# KiCad board VehicleControlUnit.kicad_pcb (continued)
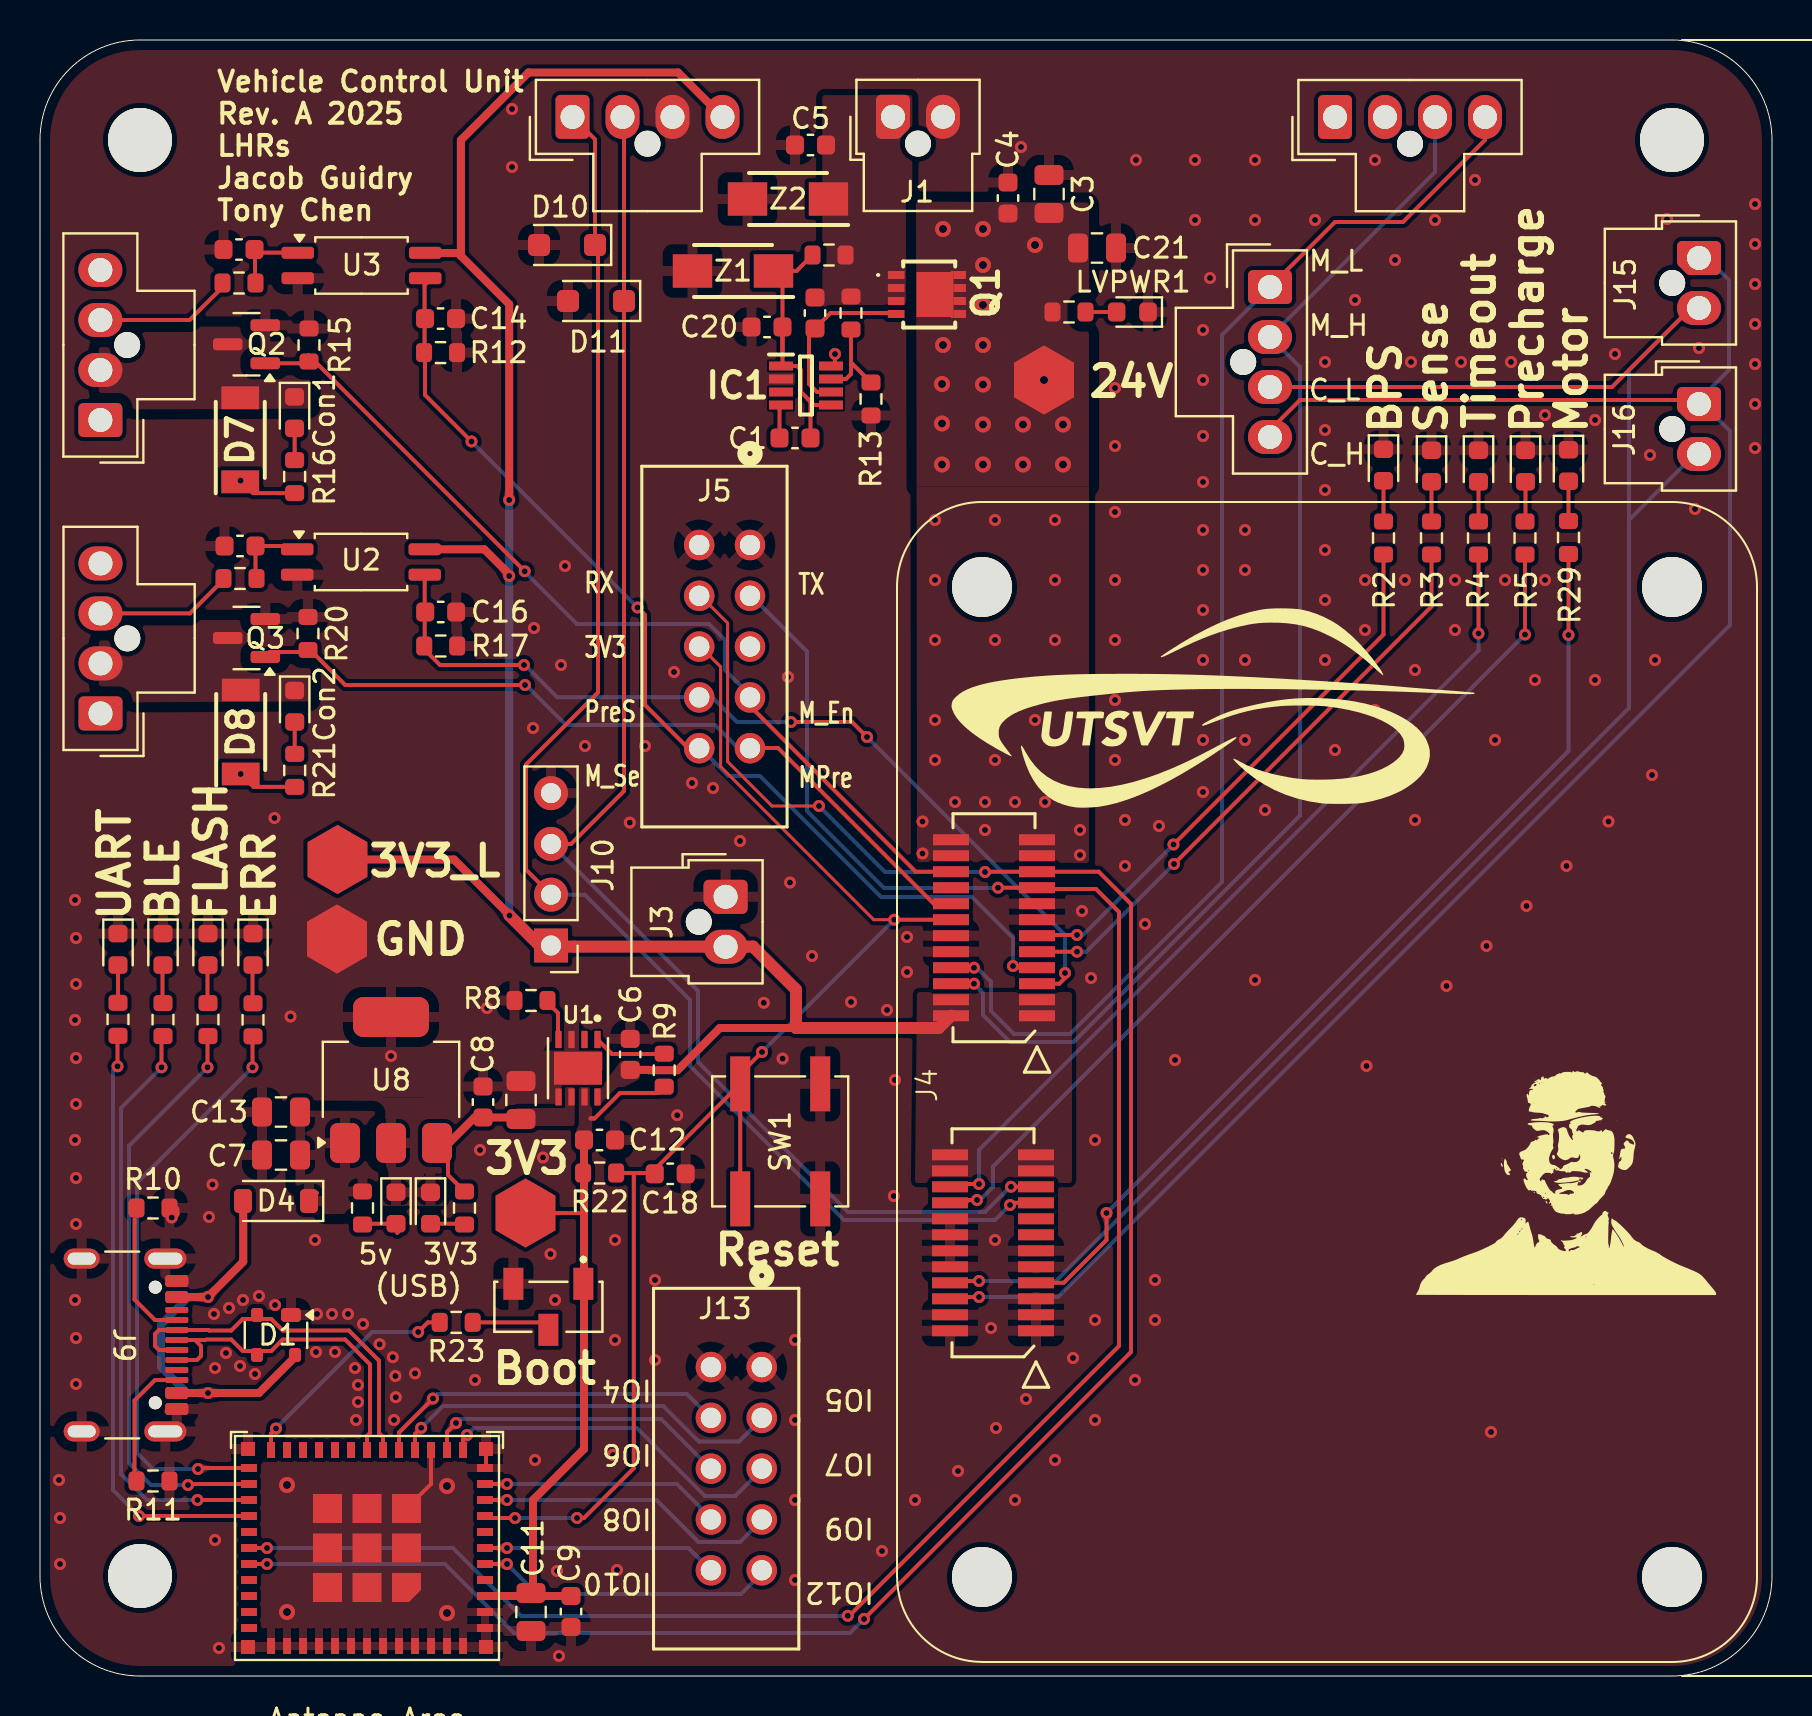
[diagram p0: board, top side]
## Library data of the parts (continued)
U8 = -: Datasheet: https://www.analog.com/media/en/technical-documentation/data-sheets/1963aff.pdf; Description: 3.3V, 1.5A, Low Noise, Fast Transient Response LDO Regulator, SOT-223; ki_fp_filters: SOT*223*
Z1 Z2 = -: Datasheet: https://www.mccsemi.com/pdf/Products/SMAF4735A_SMAF4764A(DO-221AC).pdf; Description: 1.0 Watt Zener Diodes 6.2V to 100V; Height: 1.25; Mouser Part Number: 833-SMAF4749A-TP; Mouser Price/Stock: https://www.mouser.co.uk/ProductDetail/Micro-Commercial-Components-MCC/SMAF4749A-TP?qs=%252BXxaIXUDbq1bdSZ3Ebik%2FA%3D%3D; Manufacturer_Name: MCC; Manufacturer_Part_Number: SMAF4749A-TP

## Footprints (pads in the part's own frame, mm; a bottom-side part is the same pattern mirrored in y, then rotated)
C_0603_1608Metric
  rrect 0.9x0.95 smd: 1(-0.775,0) 2(0.775,0)
C_0805_2012Metric
  rrect 1x1.45 smd: 1(-0.95,0) 2(0.95,0)
CONN_SFH11-xxxC-D05-ST-XX_SUL
  round 1.524 hole 1.016: 1(0,0) 2(0,-2.54) 3(2.54,0) 4(2.54,-2.54) 5(5.08,0) 6(5.08,-2.54) 7(7.62,0) 8(7.62,-2.54) 9(10.16,0) 10(10.16,-2.54)
D_SOD-123
  rrect 0.9x1.2 smd: 1(-1.65,0) 2(1.65,0)
D_SOD-123F
  rrect 1.1x1.1 smd: 1(-1.4,0) 2(1.4,0)
EL3H7
  rrect 1.625x0.6 smd: 1(-3.188,0.635) 2(-3.188,-0.635) 3(3.188,-0.635) 4(3.188,0.635)
ESP32-C6-MINI-1
  rect 0.8x0.4 smd: 1(-5.9,1.3) 2(-5.9,0.5) 3(-5.9,-0.3) 4(-5.9,-1.1) 5(-5.9,-1.9) 6(-5.9,-2.7) 7(-5.9,-3.5) 8(-5.9,-4.3) 9(-5.9,-5.1) 10(-5.9,-5.9) 11(-5.9,-6.7) 25(5.9,-6.7) 26(5.9,-5.9) 27(5.9,-5.1) 28(5.9,-4.3) 29(5.9,-3.5) 30(5.9,-2.7) 31(5.9,-1.9) 32(5.9,-1.1) 33(5.9,-0.3) 34(5.9,0.5) 35(5.9,1.3)
  rect 0.4x0.8 smd: 12(-4.8,-7.6) 13(-4,-7.6) 14(-3.2,-7.6) 15(-2.4,-7.6) 16(-1.6,-7.6) 17(-0.8,-7.6) 18(0,-7.6) 19(0.8,-7.6) 20(1.6,-7.6) 21(2.4,-7.6) 22(3.2,-7.6) 23(4,-7.6) 24(4.8,-7.6) 36(4.8,2.2) 37(4,2.2) 38(3.2,2.2) 39(2.4,2.2) 40(1.6,2.2) 41(0.8,2.2) 42(0,2.2) 43(-0.8,2.2) 44(-1.6,2.2) 45(-2.4,2.2) 46(-3.2,2.2) 47(-4,2.2) 48(-4.8,2.2)
  custom 1.45x1.45 smd: 49(-1.975,-0.725)
  rect 1.45x1.45 smd: 49(-1.975,-2.7) 49(-1.975,-4.675) 49(0,-0.725) 49(0,-2.7) 49(0,-4.675) 49(1.975,-0.725) 49(1.975,-2.7) 49(1.975,-4.675)
  rect 0.7x0.7 smd: 50(5.95,2.25) 51(5.95,-7.65) 52(-5.95,-7.65) 53(-5.95,2.25)
LeaderSOM
  round 3 hole 3 unplated: (-24.59,-5.45) (-24.59,-39.95) (24.91,-5.45) (24.91,-39.95)
  rect 0.55x1.8 smd: 1(3.474,-8.2) 2(3.474,-3.9) 3(4.274,-8.2) 4(4.274,-3.9) 5(5.074,-8.2) 6(5.074,-3.9) 7(5.874,-8.2) 8(5.874,-3.9) 9(6.674,-8.2) 10(6.674,-3.9) 11(7.474,-8.2) 12(7.474,-3.9) 13(8.274,-8.2) 14(8.274,-3.9) 15(9.074,-8.2) 16(9.074,-3.9) 17(9.874,-8.2) 18(9.874,-3.9) 19(10.674,-8.2) 20(10.674,-3.9) 21(11.474,-8.2) 22(11.474,-3.9) 23(12.274,-8.2) 24(12.274,-3.9) 25(-12.28,-8.15) 26(-12.28,-3.85) 27(-11.48,-8.15) 28(-11.48,-3.85) 29(-10.68,-8.15) 30(-10.68,-3.85) 31(-9.88,-8.15) 32(-9.88,-3.85) 33(-9.08,-8.15) 34(-9.08,-3.85) 35(-8.28,-8.15) 36(-8.28,-3.85) 37(-7.48,-8.15) 38(-7.48,-3.85) 39(-6.68,-8.15) 40(-6.68,-3.85) 41(-5.88,-8.15) 42(-5.88,-3.85) 43(-5.08,-8.15) 44(-5.08,-3.85) 45(-4.28,-8.15) 46(-4.28,-3.85) 47(-3.48,-8.15) 48(-3.48,-3.85)
LED_0603_1608Metric
  rrect 0.875x0.95 smd: 1(-0.787,0) 2(0.787,0)
Molex_Nano-Fit_105309-xx02_1x02_P2.50mm_Vertical
  round 1.3 hole 1.3 unplated: (-1.34,-1.25)
  custom 2.2x1.7 hole 1.2: 1(0,0)
  oval 2.2x1.7 hole 1.2: 2(0,-2.5)
Molex_Nano-Fit_105309-xx04_1x04_P2.50mm_Vertical
  round 1.3 hole 1.3 unplated: (-1.08,-0.68)
  rrect 2.2x1.7 hole 1.2: 1(0.26,3.07)
  oval 2.2x1.7 hole 1.2: 2(0.26,0.57) 3(0.26,-1.93) 4(0.26,-4.43)
MountingHole_3.2mm_M3
  round 3.2 hole 3.2 unplated: (0,0)
PinHeader_1x04_P2.54mm_Vertical
  rect 1.7x1.7 hole 1: 1(0,0)
  oval 1.7x1.7 hole 1: 2(0,-2.54) 3(0,-5.08) 4(0,-7.62)
PSMN8R5-40MSDX
  rect 0.4x0.83 smd: 1(-0.975,-1.65) 2(-0.325,-1.65) 3(0.325,-1.65) 4(0.975,-1.65)
  rect 0.4x0.62 smd: 5(0.975,1.525) 6(0.325,1.525) 7(-0.325,1.525) 8(-0.975,1.525)
  rect 2.25x1.85 smd: 9(0,0.29)
  rect 0.05x0.13 smd: 10(1.15,1.15) 11(-1.15,1.15)
R_0603_1608Metric
  rrect 0.8x0.95 smd: 1(-0.825,0) 2(0.825,0)
SODFL4724X108N
  rect 1.14x1.89 smd: 1(-2.1,0) 2(2.1,0)
SODFL5026X125N
  rect 1.97x1.67 smd: 1(-2.025,0) 2(2.025,0)
SON65P300X300X100-9N
  rrect 0.86x0.32 smd: 1(-1.435,0.975) 2(-1.435,0.325) 3(-1.435,-0.325) 4(-1.435,-0.975) 5(1.435,-0.975) 6(1.435,-0.325) 7(1.435,0.325) 8(1.435,0.975)
  rect 1.65x2.4 smd: 9(0,0)
SOT65P280X110-8N
  rect 1.2x0.45 smd: 1(-1.25,0.975) 2(-1.25,0.325) 3(-1.25,-0.325) 4(-1.25,-0.975) 5(1.25,-0.975) 6(1.25,-0.325) 7(1.25,0.325) 8(1.25,0.975)
SOT-23
  rrect 1.475x0.6 smd: 1(-0.938,0.95) 2(-0.938,-0.95) 3(0.938,0)
SOT-143
  rrect 0.7x1 smd: 1(-1,0.75)
  rrect 0.7x0.6 smd: 2(-1,-0.95) 3(1,-0.95) 4(1,0.95)
SOT-223-3_TabPin2
  rrect 2x1.5 smd: 1(-3.15,2.3) 2(-3.15,0) 3(-3.15,-2.3)
  rrect 2x3.8 smd: 2(3.15,0)
SW_CJS-1200TA
  rect 1x1.6 smd: 1(-1.75,-1.15) 2(0,1.15) 3(1.75,-1.15)
SW_SPST_B3SL-1002P
  rect 2.75x1 smd: 1(-2.875,2) 2(2.875,2) 3(-2.875,-2) 4(2.875,-2)
TestPoint_HEX_3mmID
  custom 3x3.464 smd: 1(-0.05,0)
TestPoint_HEX_3mmID#2
  custom 3x3.464 smd: 1(0,0)
TestPoint_HEX_3mmID#3
  custom 3x3.464 smd: 1(0.6,0)
USB_C_Receptacle_GCT_USB4105-xx-A_16P_TopMnt_Horizontal
  round 0.65 hole 0.65 unplated: (-2.89,2.605) (2.89,2.605)
  rrect 0.6x1.15 smd: A1(-3.2,3.68) A4(-2.4,3.68) A9(2.4,3.68) A12(3.2,3.68) B1(3.2,3.68) B4(2.4,3.68) B9(-2.4,3.68) B12(-3.2,3.68)
  rrect 0.3x1.15 smd: A5(-1.25,3.68) A6(-0.25,3.68) A7(0.25,3.68) A8(1.25,3.68) B5(1.75,3.68) B6(0.75,3.68) B7(-0.75,3.68) B8(-1.75,3.68)
  oval 1x2.1 hole 0.6x1.7: S1(-4.32,3.105) S1(4.32,3.105)
  oval 1x1.8 hole 0.6x1.4: S1(-4.32,-1.075) S1(4.32,-1.075)

## Nets
3V3_LSOM: 3V3_LSOM1.1 C6.1 J2.4 J3.2 J4.1 J4.2 J4.3 J4.4 J4.45 J4.46 J4.47 J4.48 J10.1 U1.8 U2.4 U3.4
+3V3: 3V31.1 C9.1 C11.1 C12.1 R9.1 R22.1 SW2.1 U1.7 U4.3
+24V: 24V_TP1.1 C3.1 C4.1 C21.1 D7.1 D8.1 IC1.8 J4.21 J4.22 J4.23 J4.24 J6.1 J6.4 J7.1 J7.4 Q1.5 Q1.6 Q1.7 Q1.8 Q1.9 Q1.10 Q1.11 R1.1 R16.2 R21.2
/ESP/3V3_USB: C8.1 C10.1 R7.1 U1.6 U8.3
/ESP/5V_USB: C7.1 C13.1 D4.1 R6.1 U8.1
/ESP/VBUSB: D1.4 D4.2 J9.A4 J9.A9 J9.B4 J9.B9
GND: C3.2 C4.2 C5.2 C6.2 C7.2 C8.2 C9.2 C10.2 C11.2 C12.2 C13.2 C14.1 C15.1 C16.1 C17.1 C18.2 C20.1 C21.2 D1.1 D2.1 D3.1 D10.2 D11.2 IC1.2 J1.2 J2.3 J3.1 J4.10 J4.12 J4.13 J4.15 J4.25 J4.26 J4.27 J4.28 J4.29 J4.33 J4.34 J4.35 J4.36 J4.38 J4.40 J5.1 J5.2 J9.A1 J9.A12 J9.B1 J9.B12 J9.S1 J10.4 J13.1 J13.2 LED1.1 LED2.1 LED3.1 LED4.1 LED5.1 LV1.1 LV2.1 LV3.1 LV4.1 LVGND_TP1.1 LVPWR1.1 Q2.2 Q3.2 R8.2 R10.2 R11.2 R12.2 R13.2 R15.2 R17.2 R20.2 SW1.1 SW1.2 SW2.3 U1.3 U1.5 U1.9 U2.2 U3.2 U4.1 U4.2 U4.11 U4.14 U4.36 U4.37 U4.38 U4.39 U4.40 U4.41 U4.42 U4.43 U4.44 U4.45 U4.46 U4.47 U4.48 U4.49 U4.50 U4.51 U4.52 U4.53 U8.2 Z1.2 Z2.2
/Batt_Voltage: D11.1 J2.2 J4.43 J10.3
/C_CAN_H: J4.30 J8.4 J15.1 J16.1
/C_CAN_L: J4.32 J8.3 J15.2 J16.2
/ContactorDriver/M_PreCon-: Con2.1 D8.2 J6.2 Q3.3
/ContactorDriver/MCon-: Con1.1 D7.2 J7.2 Q2.3
/ESP/BOOT: R23.1 U4.24
/ESP/CC1: J9.A5 R10.1
/ESP/CC2: J9.B5 R11.1
/ESP/IO4: J13.4 U4.16
/ESP/IO5: J13.3 U4.15
/ESP/IO6: J13.6 U4.13
/ESP/IO7: J13.5 U4.12
/ESP/IO8: J13.8 U4.10
/ESP/IO9: J13.7 U4.9
/ESP/IO10: J13.10 U4.6
/ESP/IO12: J13.9 U4.5
/ESP/LED1: R24.1 U4.25
/ESP/LED2: R25.1 U4.26
/ESP/LED3: R26.1 U4.27
/ESP/LED4: R27.1 U4.28
/ESP/USB_D+: D1.3 J9.A6 J9.B6 U4.18
/ESP/USB_D-: D1.2 J9.A7 J9.B7 U4.17
/ESP_RESET: C18.1 J4.14 J5.6 R22.2 SW1.3 SW1.4 U4.8
/ESP_RX: J4.19 J5.4 U4.31
/ESP_TX: J4.17 J5.3 U4.30
/LED1: J4.11 R2.1
/LED2: J4.9 R3.1
/LED3: J4.44 R4.1
/LED4: J4.42 R5.1
/LED5: J4.31 R29.1
/M_CAN_H: J4.6 J8.2 J14.3
/M_CAN_L: J4.8 J8.1 J14.4
/M_Enable: J4.20 J5.7 Q2.1 R15.1
/M_Sense: C14.2 J4.7 J5.10 R12.1 U3.3
/Motor_Voltage: D10.1 J2.1 J4.41 J10.2
/MPre_Enable: J4.16 J5.9 Q3.1 R20.1
/MPre_Sense: C16.2 J4.5 J5.8 R17.1 U2.3
/Power/LV+: C2.2 C5.1 J1.1 Q1.1 Q1.2 Q1.3 R18.1 R28.1 Z2.1
/Power/RPP_EN: C1.1 C20.2 IC1.1 IC1.5 R18.2 Z1.1
Net-(C15-Pad2): C15.2 R14.2 U3.1
Net-(C17-Pad2): C17.2 R19.2 U2.1
Net-(Con1-A): Con1.2 R16.1
Net-(Con2-A): Con2.2 R21.1
Net-(D2-A): D2.2 R6.2
Net-(D3-A): D3.2 R7.2
Net-(IC1-GATE): C2.1 IC1.6 Q1.4
Net-(IC1-OV): IC1.7 R13.1 R28.2
Net-(IC1-VCAP): C1.2 IC1.4
Net-(J6-Sense-): J6.3 R19.1
Net-(J7-Sense-): J7.3 R14.1
Net-(LED1-A): LED1.2 R2.2
Net-(LED2-A): LED2.2 R3.2
Net-(LED3-A): LED3.2 R4.2
Net-(LED4-A): LED4.2 R5.2
Net-(LED5-A): LED5.2 R29.2
Net-(LV1-A): LV1.2 R24.2
Net-(LV2-A): LV2.2 R25.2
Net-(LV3-A): LV3.2 R26.2
Net-(LV4-A): LV4.2 R27.2
Net-(LVPWR1-A): LVPWR1.2 R1.2
Net-(SW2-B): R23.2 SW2.2
Net-(U1-ILIM): R8.1 U1.4
Net-(U1-STAT): R9.2 U1.1

Pads without a net: IC1 3; J4 18 37 39; J5 5; J9 A8 B8; J14 1 2; U1 2; U4 4 7 19 20 21 22 23 29 32 33 34 35

## Via types
v1: diameter 0.6, hole 0.3, Top to Bottom, 281 vias
v2: diameter 0.8, hole 0.4, Top to Bottom, 22 vias

## Routing (per net, layer and track width the routed paths; a pad name or vN(x,y) marks a point on that pad's centre or on a via; arc(x,y) is an arc through that point)
3V3_LSOM: length 106.6
  Top w0.4: 19.24,56.34 22.22,56.34 23.46,55.09 v1(23.46,55) ; v1(23.46,58.8) 23.46,68.59 21.04,71.01 ; v1(23.47,38.03) 23.47,38.05 20.7,40.83 3V3_LSOM1.1 ; C6.1 30.43,30.31 30.44,30.29 31.88,30.29 33.99,32.4 37.8,32.4 ; 34.12,77.96 31.91,80.18 24.43,80.18 21.04,76.8 21.04,71.01 ; 21.04,71.01 20.9,71.15 19.25,71.15 19.25,71.15
  Top w0.6: v1(23.47,38.03) 25.03,36.47 35.65,36.47 37.8,34.32 37.8,32.4 44.94,32.4 J4.2
  Bottom w0.4: v1(23.46,58.8) v1(23.46,55) 23.46,38.04 v1(23.47,38.03)
+3V3: length 35.6
  Top w0.2: 27.2,23.23 27.12,23.15 3V31.1 ; R9.1 30.9,29.15 29,29.15 27.73,27.88 27.53,27.88 27.67,27.88
  Top w0.4: U4.3 C9.1 ; C12.1 27.2,11.35 24.65,8.8 24.65,4.15 24.75,4.05
+24V: length 6.6
  Top w0.2: R16.2 10.65,59.15 v1(10.03,59.77) ; v1(39.75,66.1) 39.75,65.7 IC1.8 ; R21.2 10.68,44.46 v1(10.03,45.1)
  vias: v1(44.12,42.73) v1(44.12,41.13) v1(44.75,57.8) v1(44.75,54.8) v1(44.75,51.8) v1(44.75,47.8) v1(44.75,45.8) v1(45.75,43.7) v1(47.25,43.7) v1(47.25,42.3) v1(47.75,57.8) v1(47.75,51.8) v1(47.75,45.8) v1(48.75,43.7) v1(49.75,47.8) v1(50.25,43.7) v1(50.75,57.8) v1(50.75,54.8) v1(50.75,51.8) v1(52,42.3) v1(52,41.05) v2(45.1,64.6) v2(45.1,62.63) v2(45.1,60.58) v2(45.15,72.35) v2(45.15,66.55) v2(47.15,72.35) v2(47.15,70.55) v2(47.15,68.55) v2(47.15,66.55) v2(47.15,64.58) v2(47.15,62.58) v2(47.15,60.58) v2(49.15,62.58) v2(49.15,60.58) v2(49.75,71.55) v2(50.2,64.8) v2(51.15,62.58) v2(51.15,60.58)
/ESP/3V3_USB: length 7.9
  Top w0.2: R7.1 20.4,25.05 20.4,26.1 U8.3
  Top w0.4: U8.3 20.45,26.65 21.72,27.93 24.2,27.93 24.22,27.95
/ESP/5V_USB: length 0.6
  Top w0.2: 13.85,24.15 D4.1
/ESP/VBUSB: length 20.6
  Top w0.4: 10.16,23.64 10.16,20.71 v1(8.4,18.95) 7.4,18.95 ; 12.85,16.05 10.95,14.15 v1(8.4,14.15) 7.4,14.15
  Bottom w0.4: v1(8.4,18.95) 8.38,18.93 7.4,18.93 6.05,17.58 6.05,15.45 7.35,14.15 v1(8.4,14.15)
GND: length 4.9
  Top w0.2: 18.33,8.38 19.55,9.6 U4.14 ; U4.11 22.3,10.45 U4.52
  Top w0.4: 6.78,23.32 6.78,23.11 v1(6.59,22.93)
  vias: v1(0.95,9.8) v1(1,7.9) v1(1,5.6) v1(1.75,38.8) v1(1.8,36.9) v1(1.8,34.6) v1(1.75,32.8) v1(1.8,30.9) v1(1.8,28.6) v1(1.75,26.8) v1(1.8,24.9) v1(1.8,22.6) v1(1.75,18.8) v1(1.8,16.9) v1(1.8,14.6) v1(8.45,22.95) v1(8.62,24.58) v1(8.7,18.1) v1(8.75,15.4) v1(8.75,6.8) v1(8.95,1.4) v1(9.3,16.15) v1(9.45,18.4) v1(10,15.5) v1(10.15,18.8) v1(10.75,15.1) v1(10.95,19) v1(11.72,42.9) v1(11.75,18.55) v1(12.53,32.98) v1(13.75,21.8) v1(13.8,16.2) v1(13.85,18.1) v1(14.6,18.1) v1(14.75,16.2) v1(15.4,18.1) v1(15.75,15.4) v1(15.8,12.8) v1(15.9,14.55) v1(15.9,13.7) v1(16.15,17.6) v1(16.98,16.59) v1(17.55,31) v1(17.64,15.94) v1(17.77,15) v1(17.79,13.94) v1(17.7,12.8) v1(18.75,15.13) v1(21.75,14.8) v1(22,26.3) v1(22.35,33.4) v1(23.6,78.35) v1(23.6,75.45) v1(24.7,52.4) v1(24.65,47.4) v1(24.75,10.8) v1(25.15,25.93) v1(25.53,21.1) v1(25.75,18.8) v1(25.85,5.25) v1(25.95,1) v1(26.05,50.55) v1(26.25,55.5) v1(27.25,46.5) v1(28.65,11.05) v1(28.75,21.8) v1(28.75,16.8) v1(28.85,5.3) v1(29.49,42.67) v1(30.25,46.5) v1(30.75,19.8) v1(30.75,15.8) v1(31.7,50.2) v1(31.86,28.04) v1(32.6,44.65) v1(33.65,44.4) v1(35,41.75) v1(36.19,33.66) v1(37.13,30.87) v1(37.4,49.95) v1(37.5,39.68) v1(37.75,16.8) v1(37.75,12.8) v1(37.75,8.8) v1(37.75,4.8) v1(38.6,36) v1(40.55,33.7) v1(42.1,6.25) v1(42.35,33.3) v1(42.69,24) v1(42.75,29.8) v1(43.35,36.95) v1(43.35,35.2) v1(43.75,8.8) v1(45.9,10.25) v1(47.55,17.4) v1(47.75,21.8) v1(47.8,12.4) v1(48.75,8.8) v1(49.05,76.45) v1(49.3,13.85) v1(50.75,10.8) v1(51.65,15.9) v1(52.1,38.25) v1(52.55,34.9) v1(52.75,26.8) v1(52.75,17.8) v1(52.75,12.8) v1(53.75,64.4) v1(53.75,61.5) v1(53.75,58.2) v1(53.75,54.8) v1(53.75,51.8) v1(53.75,48.8) v1(53.75,45.8) v1(54.25,42.8) v1(54.25,40.5) v1(54.8,75.8) v1(54.75,14.8) v1(55.25,37.6) v1(55.75,19.8) v1(55.75,17.8) v1(55.95,42.5) v1(56.75,30.8) v1(57.75,75.8) v1(57.75,72.8) v1(58.15,67.3) v1(58.15,64.8) v1(58.15,62) v1(58.15,59.7) v1(58.15,57.3) v1(58.15,55.3) v1(58.15,53.3) v1(58.15,50.8) v1(58.15,46.8) v1(58.15,44.2) v1(58.5,69.9) v1(60.25,57.3) v1(60.25,55.3) v1(60.25,50.8) v1(60.25,46.8) v1(60.75,75.8) v1(60.75,72.8) v1(60.75,34.8) v1(61.25,43.3) v1(63.75,72.8) v1(64.25,65.7) v1(64.25,62.3) v1(64.25,59.3) v1(64.25,56.3) v1(64.25,53.8) v1(64.25,50.8) v1(64.75,46.3) v1(65.75,68.8) v1(66.25,54.8) v1(66.25,52.3) v1(66.32,30.5) v1(66.75,75.8) v1(66.75,48.3) v1(67.75,70.8) v1(68.25,54.8) v1(68.55,65.7) v1(68.75,50.3) v1(68.75,42.8) v1(69.75,72.8) v1(70.32,34.5) v1(70.75,54.8) v1(70.75,52.3) v1(71.05,65.7) v1(71.75,74.8) v1(72.32,36.5) v1(72.55,12.2) v1(72.75,46.8) v1(73.25,54.8) v1(73.55,65.7) v1(74.32,38.5) v1(74.75,49.8) v1(75.25,63.05) v1(75.25,54.8) v1(76.32,40.5) v1(77.75,62.8) v1(77.75,49.8) v1(78.43,42.73) v1(78.75,66.1) v1(80.5,61.05) v1(80.6,45.05) v1(80.75,50.8) v1(81.35,72.85) v1(82.75,58.35) v1(82.95,66.4) v1(85.75,73.6) v1(85.75,71.6) v1(85.75,69.6) v1(85.75,67.6) v1(85.75,65.6) v1(85.75,63.6) v1(85.75,61.4) v2(12.35,9.55) v2(12.35,3.2) v2(20.35,9.5) v2(20.35,3.15)
/Batt_Voltage: length 73.1
  Top w0.2: 29.12,77.96 29.2,77.88 29.2,44.25 26.55,41.6 25.56,41.6 J10.3 ; J4.43 v1(48.55,24.46) 48.41,24.46
  Bottom w0.2: v1(48.55,24.46) 48.51,24.46 47.25,23.2 40.4,23.2 32.9,30.7 32.9,34.26 J10.3
/C_CAN_H: length 96.1
  Top w0.2: J8.4 61.5,62.3 63,63.8 82.95,63.8 ; v1(46.95,18.95) 46.95,18.87 46.87,18.95 45.59,18.95 J4.30
  Bottom w0.2: v1(46.95,18.95) 50.9,18.95 84.5,52.55 84.5,62.25 82.95,63.8 84.45,65.3 84.45,69.8 82.95,71.3
/C_CAN_L: length 96
  Top w0.2: 82.95,68.8 78.6,64.45 J8.3 ; J4.32 45.59,19.75 46.87,19.75 46.95,19.67 v1(46.95,19.75)
  Bottom w0.2: 79.45,57.8 82.95,61.3 ; 79.45,57.8 79.45,48.4 50.8,19.75 v1(46.95,19.75) ; 79.45,57.8 79.45,65.3 82.95,68.8
/ESP/BOOT: length 11.6
  Top w0.2: v1(18.91,17.2) 19.39,17.68 R23.1 ; v1(11.8,12.38) 11.55,12.12 U4.24
  Bottom w0.2: v1(11.8,12.38) 11.8,12.39 16.61,17.2 v1(18.91,17.2)
/ESP/CC1: length 6.6
  Top w0.2: J9.A5 5.75,17.8 4.72,18.83 4.72,22.84
/ESP/CC2: length 6.1
  Top w0.2: J9.B5 5.75,14.8 4.72,13.78 4.72,10.25
/ESP/IO4: length 17.8
  Top w0.2: U4.16 17.95,12.18 v1(19.65,13.88)
  Bottom w0.2: v1(19.65,13.88) 19.88,14.1 32.34,14.1 33.56,12.88
/ESP/IO5: length 19.9
  Top w0.2: U4.15 18.75,12.1 v1(19.06,12.41)
  Bottom w0.2: v1(19.06,12.41) 20.15,13.5 31.16,13.5 32.94,11.73 34.94,11.73 36.1,12.88
/ESP/IO6: length 15.4
  Top w0.2: U4.13 20.35,12.2 v1(20.8,12.65)
  Bottom w0.2: 33.56,10.34 31.05,12.85 21,12.85 v1(20.8,12.65)
/ESP/IO7: length 18
  Top w0.2: U4.12 21.15,11.85 v1(21.35,12.05)
  Bottom w0.2: v1(21.35,12.05) 21.7,12.4 29.85,12.4 33.25,9 34.76,9 36.1,10.34 36.1,10.05
/ESP/IO8: length 12.3
  Top w0.2: U4.10 v1(23.35,9.6)
  Bottom w0.2: 33.56,7.8 33,8.36 33,8.45 31.85,9.6 v1(23.35,9.6) 23.5,9.45
/ESP/IO9: length 15.2
  Top w0.2: U4.9 v1(23.35,8.8)
  Bottom w0.2: 36.1,7.8 35,6.7 32.93,6.7 30.82,8.8 v1(23.35,8.8)
/ESP/IO10: length 11.8
  Top w0.2: U4.6 v1(23.35,6.4)
  Bottom w0.2: 33.56,5.26 32.42,6.4 v1(23.35,6.4)
/ESP/IO12: length 15
  Top w0.2: U4.5 v1(23.35,5.6)
  Bottom w0.2: 36.1,5.26 36.1,5.15 35.05,4.1 24.85,4.1 v1(23.35,5.6)
/ESP/LED1: length 29.2
  Top w0.2: v1(7.9,10.35) 7.95,10.4 U4.25 ; v1(10.62,30.43) 10.62,32.03
  Bottom w0.2: v1(10.62,30.43) 4.85,24.66 4.85,11.15 5.65,10.35 v1(7.9,10.35)
/ESP/LED2: length 29.3
  Top w0.2: v1(7.4,9.55) 7.45,9.6 U4.26 ; 8.38,31.88 v1(8.38,30.43)
  Bottom w0.2: v1(8.38,30.43) 4.45,26.51 4.45,10.65 5.55,9.55 v1(7.4,9.55)
/ESP/LED3: length 29.6
  Top w0.2: 6.12,31.88 6.08,31.83 v1(6.08,30.43) ; v1(7.88,8.8) U4.27
  Bottom w0.2: v1(6.08,30.43) 6.08,30.43 4.05,28.4 4.05,10.1 5.35,8.8 v1(7.88,8.8)
/ESP/LED4: length 30.5
  Top w0.2: v1(4.95,8) U4.28 ; v1(3.88,30.48) 3.88,31.78 3.62,32.03
  Bottom w0.2: v1(3.88,30.48) 3.65,30.26 3.65,9.3 v1(4.95,8) ; v1(3.88,30.48) 3.75,30.36 ; v1(3.88,30.48) 3.88,30.43
/ESP/USB_D+: length 16.4
  Top w0.2: U4.18 16.35,12 16.5,12.15 16.5,15.58 15.26,16.83 12.14,16.83 11.56,16.25 10.14,16.25 9.56,16.83 8.31,16.83 ; 7.42,16.8 8.2,16.8 ; 7.42,15.8 7.85,15.8 8.05,16 8.05,16.5 7.75,16.8 8.25,16.8
/ESP/USB_D-: length 18.7
  Top w0.2: J9.A7 5.95,16.3 5.75,16.5 5.75,17.1 5.95,17.3 J9.B7 8.42,17.3 8.45,17.28 9.56,17.28 10.14,17.85 11.56,17.85 12.14,17.28 15.44,17.28 16.95,15.77 16.95,12.15 17.15,11.95 U4.17
/ESP_RESET: length 70.1
  Top w0.15: v1(42.71,37.81) 41.69,37.81 34.03,45.47 34.03,50.46 33.01,51.48
  Top w0.2: 29.69,25.15 30.56,25.15 SW1.3 35.01,30.11 ; 29.69,25.15 28.81,25.15 ; 29.69,25.15 29.69,10.39 27.2,7.9 v1(26.85,7.9) ; U4.8 22.35,7.9 v1(23.75,7.9) ; J4.14 v1(42.71,37.81) ; 35.01,30.11 v1(36.1,31.2) ; 35.01,30.11 SW1.4
  Bottom w0.2: v1(36.1,31.2) v1(42.71,37.81) ; v1(26.85,7.9) v1(23.75,7.9)
/ESP_RX: length 105.7
  Top w0.15: v1(38.95,43.5) 36.6,43.5 34.38,45.72 34.38,52.65 33.01,54.02
  Top w0.2: v1(41.2,2.85) 54.55,16.2 54.55,38.6 52.94,40.21 J4.19 47.26,40.21 v1(47.25,40.2) ; U4.31 v1(11.35,5.6)
  Bottom w0.2: v1(11.35,5.6) 20.25,5.6 23.7,2.15 40.5,2.15 v1(41.2,2.85) ; v1(47.25,40.2) 42.25,40.2 v1(38.95,43.5)
/ESP_TX: length 101.8
  Top w0.2: v1(40.39,3.01) 40.49,3.11 40.56,3.11 53.95,16.5 53.95,38.2 52.8,39.35 49.91,39.35 J4.17 v1(47.9,39.41) ; v1(11.35,6.4) U4.30
  Bottom w0.2: v1(47.9,39.41) 47.89,39.4 42.2,39.4 38.35,43.25 38.35,51.22 35.55,54.02 ; v1(11.35,6.4) 20.65,6.4 24.05,3 40.28,3 40.29,3.01 v1(40.39,3.01)
/LED1: length 27.6
  Top w0.2: v1(56.68,41.58) 67.18,52.08 67.18,56.08 ; 49.86,37 J4.11 49.89,37.05 v1(51.85,37.05)
  Bottom w0.2: v1(56.68,41.58) 52.15,37.05 v1(51.85,37.05)
/LED2: length 29.5
  Top w0.2: v1(51.85,36.21) J4.9 ; 69.57,56.08 69.57,53.48 v1(56.7,40.6)
  Bottom w0.2: v1(51.85,36.21) 52.31,36.21 v1(56.7,40.6)
/LED3: length 43.3
  Top w0.2: v1(46.95,24.6) 45.64,24.6 J4.44 ; v1(71.93,52.13) 71.93,56.08
  Bottom w0.2: v1(46.95,24.6) 46.95,26.3 71.93,51.27 v1(71.93,52.13)
/LED4: length 45.1
  Top w0.2: v1(46.85,23.8) 46.43,23.8 46.29,23.66 J4.42 ; v1(74.25,52.08) 74.25,56.08
  Bottom w0.2: v1(74.25,52.08) 47.65,25.48 47.65,24.45 47,23.8 v1(46.85,23.8)
/LED5: length 48.3
  Top w0.2: v1(53.32,23.15) 53.32,21.8 51.18,19.66 J4.31 ; v1(76.43,52.05) R29.1
  Bottom w0.2: v1(53.32,23.15) 76.43,46.25 v1(76.43,52.05)
/M_CAN_H: length 63
  Top w0.2: v1(46.7,34.61) J4.6
  Bottom w0.2: J14.3 69.75,75.2 J8.2 63,65.45 63,43.02 51.68,31.7 48.5,31.7 47.15,33.05 47.15,34.15 47,34.3 47,34.31 v1(46.7,34.61)
/M_CAN_L: length 64.6
  Top w0.2: J8.1 64.75,72.7 68.15,72.7 72.25,76.8 J14.4 ; v1(46.7,35.41) J4.8
  Bottom w0.2: J8.1 59.1,67.05 59.1,39.7 51.5,32.1 48.7,32.1 47.55,33.25 47.55,34.71 46.85,35.41 v1(46.7,35.41)
/M_Enable: length 46.2
  Top w0.2: J4.20 43.79,40.21 35.55,48.45 35.55,48.94 ; v1(24.24,55.24) 13.43,66.05 ; 13.3,65.92 13.02,65.64 Q2.1
  Bottom w0.2: v1(24.24,55.24) 24.24,55.21 26.85,52.6 33.45,52.6 34.25,51.8 34.25,50.3 35.55,49 35.55,48.94
/M_Sense: length 51.9
  Top w0.2: v1(21.57,61.73) 19.25,64.05 19.25,66.12 R12.1 ; 19.56,69.88 19.23,69.54 19.23,66.2 ; v1(29.88,53.43) 30.25,53.05 30.25,48.55 32.4,46.4 33.01,46.4 ; v1(48.65,35.5) 48.74,35.41 J4.7
  Bottom w0.2: v1(29.88,53.43) v1(21.57,61.73) ; 33.01,46.4 34.41,45 36,45 42.05,38.95 46.6,38.95 48.65,36.9 v1(48.65,35.5)
/Motor_Voltage: length 74.3
  Top w0.2: v1(48.5,23.55) 48.61,23.66 J4.41 ; D10.1 27.75,76.83 26.62,77.96 ; 25.6,39.01 24.3,40.32 24.3,45.58 27.9,49.18 27.9,71.7
  Bottom w0.2: 26.07,39.06 26.08,39.07 27.24,39.07 32.5,33.8 32.5,30.5 40.2,22.8 47.75,22.8 v1(48.5,23.55)
/MPre_Enable: length 39.4
  Top w0.2: v1(24.25,49.55) 15.26,49.55 13.44,51.38 13.26,51.2 11.47,51.2 ; J4.16 44.69,38.61 36.9,46.4 35.55,46.4
  Bottom w0.2: v1(24.25,49.55) 24.3,49.55 26.3,47.55 33.75,47.55 34.9,46.4 35.55,46.4
/MPre_Sense: length 45.3
  Top w0.2: v1(24.2,50.55) 20,50.55 19.21,51.34 R17.1 ; J4.5 50.96,34.61 51.25,34.9 v1(51.25,35.15) ; 19.24,55.07 19.24,51.53 ; v1(37.55,47.7) 40.6,47.7 v1(41.35,46.95)
  Bottom w0.2: v1(37.55,47.7) 34.85,47.7 33.61,48.94 25.86,48.94 24.25,50.55 v1(24.2,50.55) ; v1(51.25,35.15) 51.25,37.05 v1(41.35,46.95)
/Power/RPP_EN: length 14.9
  Top w0.2: IC1.5 38.7,63.55 38.4,63.85 ; 37.12,65.95 37.12,69.8 Z1.1 37.82,70.25 R18.2 ; C1.1 38.53,63.73 38.4,63.85 ; 37.12,67.6 37.12,65.58 IC1.1 37.85,65.5 38.05,65.3 38.05,64.2 38.4,63.85
Net-(C15-Pad2): length 3.5
  Top w0.2: 10.85,71.17 12.69,71.17 ; 10.75,69.48 10.75,71.1 10.7,71.15
Net-(C17-Pad2): length 3.7
  Top w0.2: 10.86,56.5 12.69,56.5 12.86,56.34 ; R19.2 10.78,54.93 C17.2
Net-(Con1-A): length 1.6
  Top w0.2: Con1.2 12.73,62.38 R16.1
Net-(Con2-A): length 1.6
  Top w0.2: Con2.2 R21.1
Net-(D2-A): length 1.7
  Top w0.2: D2.2 16.16,22.61 16.12,22.58 ; 17.86,22.15 17.9,22.19
Net-(D3-A): length 1.7
  Top w0.2: D3.2 21.19,22.61 21.22,22.58
Net-(IC1-GATE): length 8.6
  Top w0.2: IC1.6 38.85,64.2 38.45,64.6 38.45,67.08 39.53,68.15 42.76,68.15 Q1.4
Net-(IC1-OV): length 6.4
  Top w0.2: IC1.7 40.3,64.85 40.55,65.1 R28.2 40.55,65.68 R13.1
Net-(IC1-VCAP): length 1.7
  Top w0.2: IC1.4 36.97,63.48 C1.2
Net-(J6-Sense-): length 7
  Top w0.2: 3.03,53.13 7.49,53.13 9.26,54.9 9.21,54.95
Net-(J7-Sense-): length 7
  Top w0.2: 9.25,69.57 7.48,67.8 J7.3
Net-(LED1-A): length 1.8
  Top w0.2: 67.18,57.81 67.18,59.56
Net-(LED2-A): length 1.8
  Top w0.2: 69.57,57.74 69.57,59.51
Net-(LED3-A): length 1.8
  Top w0.2: 71.92,57.74 71.92,59.49
Net-(LED4-A): length 1.8
  Top w0.2: 74.27,57.74 74.27,59.49
Net-(LED5-A): length 2
  Top w0.2: R29.2 LED5.2
Net-(LV1-A): length 1.7
  Top w0.2: 10.62,33.86 10.62,35.51
Net-(LV2-A): length 1.7
  Top w0.2: 8.38,33.86 8.38,35.51
Net-(LV3-A): length 1.7
  Top w0.2: 6.12,33.86 6.12,35.51
Net-(LV4-A): length 1.6
  Top w0.2: 3.9,35.4 3.9,33.75
Net-(LVPWR1-A): length 1.7
  Top w0.2: 54.05,68.2 52.36,68.2
Net-(SW2-B): length 3.9
  Top w0.2: R23.2 25.05,17.68 SW2.2
Net-(U1-ILIM): length 2
  Top w0.2: 25.9,31.88 25.9,33.15 25.38,33.68
Net-(U1-STAT): length 3.6
  Top w0.2: 31.2,31.1 28.6,31.1 U1.1

## Copper pours and planes (outline as drawn; the poured copper is in the pictures)
3V3_LSOM on Top: 51.6,34.2 51.6,24.65 43.75,24.65 43.85,34.2
3V3_LSOM on Top: 29.99,29.85 29.2,29.45 28.03,28.53 27.7,28.53 27.7,29.4 28.05,29.4 29.04,30.76 29.98,30.76
+3V3 on Top: 27.61,29.45 27.61,26.9 26.82,26.9 26.82,29.45
+24V on Top: 52.45,40.65 52.45,59.48 43.83,59.48 43.85,40.7
+24V on Top: 43.8,73.72 43.83,59.48 52.45,59.48 52.45,73.67
+24V on Bottom: 40.64,39.23 45.5,39.25 52.82,39.27 52.86,54.13 52.85,74.23 21.24,74.21 21.15,83.37 -0.86,83.27 -0.89,44.05 23.25,44.05 23.26,58.38 40.7,58.38
/ESP/3V3_USB on Top: 26.25,29.45 26.74,29.45 26.74,27.5 23.75,27.5 23.75,28.4 26.25,28.4
/ESP/5V_USB on Top: 12.78,28.28 16.92,28.25 16.92,23.1 12.78,23.1
GND on Top: 25.1,31.28 26.2,31.28 26.2,33 26.95,33 26.95,31.28 28.15,31.28 28.15,30.28 26.2,30.28 26.2,28.43 25.1,28.43
GND on Top: 17.15,28.93 19.2,28.93 19.2,25 20.18,25.03 20.18,23.5 17.15,23.5
GND on Top: 86.6,81.5 -0.57,81.5 -0.57,-0.1 86.6,-0.1
GND on Bottom: 87.15,82.15 -0.81,82.34 -0.85,26.65 -0.85,-0.7 87.15,-0.6
/ContactorDriver/M_PreCon- on Top: 13.53,48.73 13.53,50.73 10.53,50.73 10.53,52.8 2.94,52.8 2.94,48.68
/ContactorDriver/MCon- on Top: 13.53,63.37 13.53,65.4 10.53,65.4 10.53,67.47 2.94,67.47 2.93,63.32
/Power/LV+ on Top: 39.11,68.43 39.11,79.05 43.61,79.05 43.61,68.43

Small or netless copper shapes (teardrops, artwork), in the pictures only: 17 on Top, 16 on Bottom

## Text on the board
B.Silkscreen: RIP Composites
F.Silkscreen: RX / 3V3 / PreS / M_Se | TX / M_En / MPre | M_L / M_H / C_L / C_H | 5v  3V3 / (USB) | IO10 / IO8 / IO6 / IO4 | IO12 / IO9 / IO7 / IO5 | Vehicle Control Unit / Rev. A 2025 / LHRs / Jacob Guidry / Tony Chen | 3V3_L | GND | 3V3 | Boot | Reset | 24V | UART / BLE / FLASH / ERR | BPS | Sense | Timeout | Precharge | Motor
